# Altium PCB Gesturelink V1.PcbDoc (part 5 of 9)
Units mil, origin at the board's own origin, x right, y up, seen from the top; angles counter-clockwise.
Board outline 1574.8 x 1377.95 mil, 12 copper layers (SIG_1, GND_1, HI_SPEED_SIG_1, HI_SPEED_SIG_2, GND_2, PWR_1, PWR_2, GND_3, SIG_2, SIG_3, GND, SIG_4), stack 76.312 mil thick; 506 components, 440 nets, 2250 pads, 1330 vias.
Unrouted connection lines stored in the file: 20.
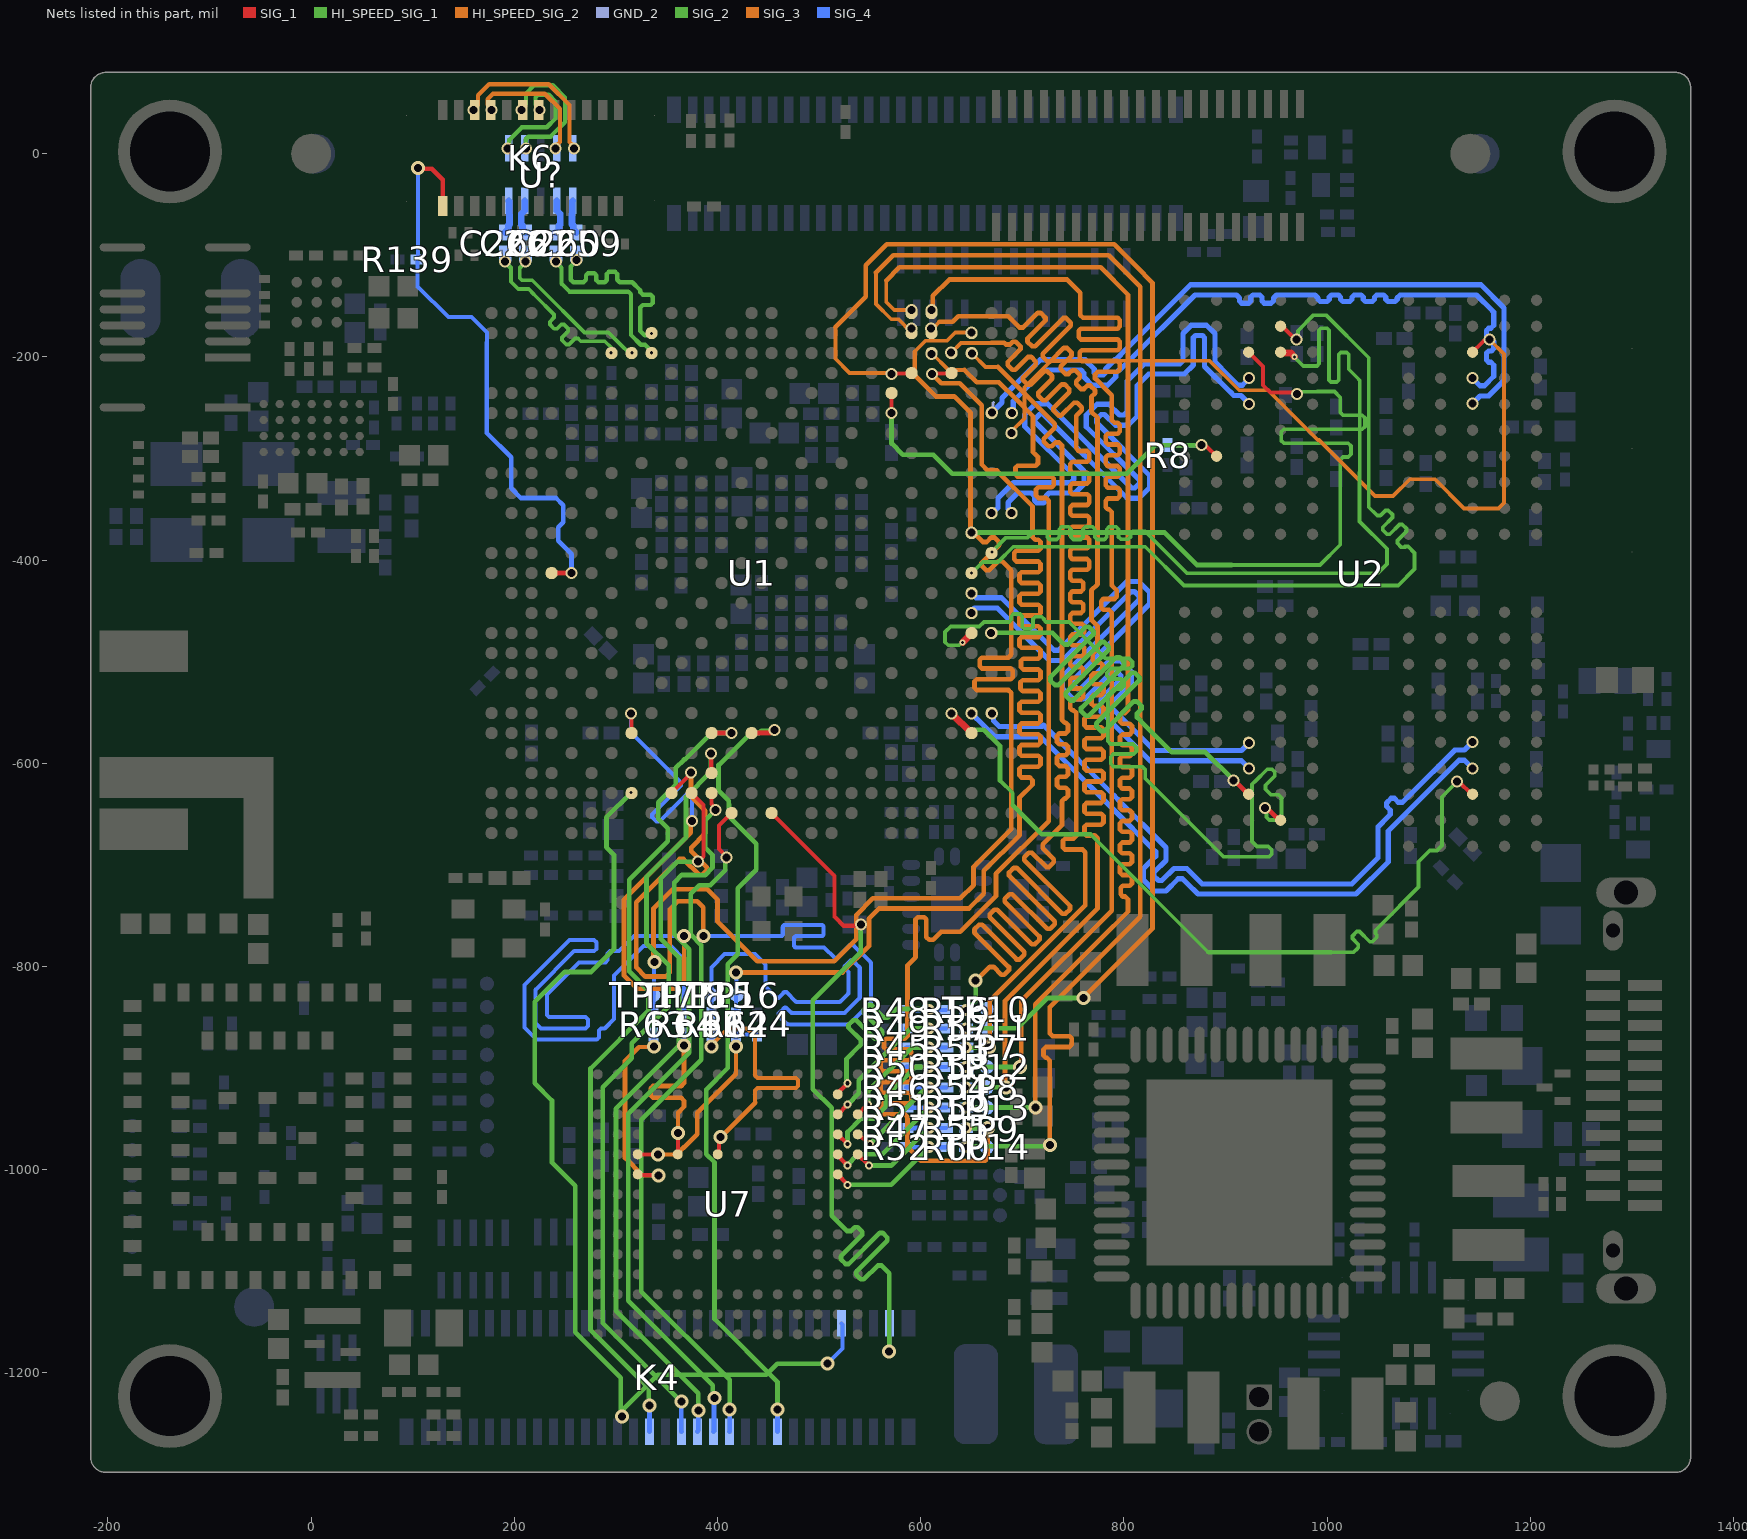
[diagram p15: the nets of this part, all layers, seen from the top]

## Nets (pads, with @x,y where several pads share a name; then routed paths per layer and width w, separated by ;. In a path a pad name is that pad's centre, name@x,y a point inside that pad or via, vN(x,y) a via of type N, cw(c..) or ccw(c..) an arc to the next point about the centre after c; other vN are vias at no path point) (continued)
DDR_DQ14_B: U1.N26 U2.Y9 | length 892.6
  SIG_1 w6.69: U2.Y9@955.37,-195.47 956.2,-196.3 964.31,-196.3 v4(968,-199.99)
  HI_SPEED_SIG_1 w3.71: v3(669.94,-392.02) 683.97,-377.99 705,-377.99 708.63,-374.36 711,-371.99 722.19,-371.99 724.53,-374.33 724.53,-377.42 726.88,-379.77 733.9,-379.77 736.24,-377.42 736.24,-369.67 738.58,-367.32 745.61,-367.32 747.95,-369.67 747.95,-377.42 750.29,-379.77 757.31,-379.77 759.65,-377.42 759.65,-369.67 762,-367.32 769.02,-367.32 771.36,-369.67 771.36,-377.42 773.7,-379.77 780.73,-379.77 783.07,-377.42 783.07,-369.67 785.41,-367.32 792.43,-367.32 794.78,-369.67 794.78,-377.29 797.12,-379.63 804.14,-379.63 806.48,-377.29 806.48,-374.33 808.82,-371.99 816.38,-371.99 821,-371.99 862,-412.99 ; v4(968,-199.99) 968,-200.49 974.94,-207.43 974.94,-207.78 975.29,-207.78 976.5,-208.99 ; 983,-208.99 988.05,-208.99 989.91,-208.99 992.08,-206.82 992.08,-198.99 992.08,-173.91 994.02,-171.97 999.85,-171.97 1001.79,-173.91 1001.79,-222.9 1003.73,-224.84 1009.55,-224.84 1011.49,-222.9 1011.49,-197.79 1013.44,-195.85 1019.26,-195.85 1021.2,-197.79 1021.2,-212.19 1026.72,-217.71 1029.63,-220.62 1032,-222.99 1032,-313.99 ; 1050,-412.99 1059,-403.99 1059,-388.99
  HI_SPEED_SIG_1 w3.75: 862,-412.99 1050,-412.99 ; 976.5,-208.99 983,-208.99 ; 1032,-313.99 1032,-361.99 1059,-388.99
  other v3: 968,-199.99
  other v4: 669.94,-392.02
DDR_DQ15_A: U1.U25 U2.B9 | length 889.4
  SIG_1 w4.58: v5(939,-643.99) 940.57,-643.99 U2.B9@952.69,-656.1
  SIG_1 w6.69: v4(641.29,-481.14) 650.01,-472.41 U1.U25@650.01,-471.89
  HI_SPEED_SIG_1 w3.71: v4(641.29,-481.14) 640.66,-481.14 637.81,-483.99 637.69,-483.99 627,-483.99 624,-480.99 624,-470.99 629.5,-465.49 657.63,-465.49 662.13,-460.99 676,-460.99 685.07,-460.99 686.93,-460.99 689.1,-458.82 689.1,-455.34 691.24,-453.2 697.67,-453.2 699.81,-455.34 699.81,-465.61 701.95,-467.75 708.37,-467.75 710.51,-465.61 710.51,-458.03 712.66,-455.89 719.08,-455.89 721.22,-458.03 721.22,-458.82 723.39,-460.99 746,-460.99 747.24,-462.23 782,-496.99 805,-496.99 808.37,-500.36 808.37,-504.2 805.66,-506.91 787.08,-506.91 783.03,-510.96 783.03,-513.71 786.31,-516.99 797.29,-516.99 800,-519.7 800,-523.99 797,-526.99 790,-526.99 784,-532.99 784,-578.28 786.71,-580.99 809,-580.99 812.46,-584.45 812.46,-588.28 809.74,-590.99 789.71,-590.99 787,-593.7 787,-600.5 790.1,-603.6 818.29,-603.6 821,-606.31 821,-614.99 898,-691.99 942.74,-691.99 945.46,-689.28 945.46,-685.45 941.98,-681.97 930.98,-681.97 926,-676.99 926,-620.7 928.71,-617.99 929,-617.99 941,-605.99 945.74,-605.99 948.46,-608.7 948.46,-612.54 939.26,-621.73 939.26,-625.56 944.7,-630.99 952,-630.99 955,-633.99 955,-653.28 952.29,-655.99 943.09,-655.99 940.37,-653.28 940.37,-645.37 v5(939,-643.99)
  other v3: 641.29,-481.14
DDR_DQ15_B: U1.P25 U2.AA9 | length 874.5
  SIG_1 w3.94: U2.AA9@954.26,-169.88 955.58,-169.88 v5@968.69,-182.99
  HI_SPEED_SIG_1 w3.71: v3(650,-412.99) 661,-401.99 676,-401.99 691,-386.99 821,-386.99 859,-424.99 1070,-424.99 1086,-408.99 1086,-392.99 1079.84,-386.83 1076.77,-386.83 1076.05,-387.54 1073.31,-387.54 1069.19,-383.43 1069.19,-380.68 1078.06,-371.8 1078.06,-369.06 1073.95,-364.94 1071.2,-364.94 1061.56,-374.58 1058.81,-374.58 1054.69,-370.47 1054.69,-367.72 1064.34,-358.08 1064.34,-355.33 1060.22,-351.21 1057.47,-351.21 1052.38,-356.3 1049.31,-356.3 1048,-354.99 1041,-347.99 1041,-200.99 999,-158.99 986.7,-158.99 971.38,-174.31 971.38,-181.62 v5(970.01,-182.99)
  other v4: 650,-412.99
DDR_DQM0_A: U1.AB25 U2.C3 | length 811.8
  SIG_1 w3.94: v9(1128,-617.99) 1129.36,-617.99 1141.88,-630.51 U2.C3@1143.24,-630.51
  SIG_1 w6.69: v1(630.13,-550.89) 630.35,-550.89 649.78,-570.31 U1.AB25@650.01,-570.31
  SIG_2 w3.75: v1(630.13,-550.89) 646.23,-566.99 ; 678,-616.99 690.5,-629.49 690.5,-641.49 ; 767,-669.99 883,-785.99 ; 1004,-785.99 1026,-785.99 1029.28,-782.71 1030.61,-781.38 1030.61,-778.28 1025,-772.67 1025,-769.91 1029.13,-765.78 1031.89,-765.78 1041.87,-775.76 1044.63,-775.76 1048.77,-771.62 1048.77,-768.87 1047.5,-767.6 1047.5,-764.49 1052,-759.99 1090,-721.99 1090,-696.99 1101,-685.99 1108,-685.99 1113,-680.99 1113,-632.99 v9(1128,-617.99)
  SIG_2 w4.67: 646.23,-566.99 662,-566.99 678,-582.99 678,-616.99 ; 690.5,-641.49 719,-669.99 767,-669.99 ; 883,-785.99 1004,-785.99
DDR_DQM0_B: U1.G27 U2.Y3 | length 796.4
  SIG_1 w3.94: U2.Y3@1143.24,-195.47 1154.02,-184.69 1158.52,-184.69 v10(1160.02,-183.18)
  HI_SPEED_SIG_2 w3.71: 736,-203.99 884.45,-203.99 913.45,-232.99 941.83,-232.99 990.83,-281.99 992,-281.99 1047.07,-337.06 1064.9,-337.06 1081.45,-320.51 1106.11,-320.51 1134.83,-349.23 1168.76,-349.23 1174,-343.99 1174,-197.16 v10(1160.02,-183.18)
  HI_SPEED_SIG_2 w3.75: v1@689,-273.7 702,-260.7 702,-229.99 728,-203.99 736,-203.99
  other v1: 689.38,-275.04
DDR_DQM1_A: U1.U26 U2.C10 | length 828.8
  SIG_1 w4.58: v9(908.01,-616.91) 908.59,-616.91 922.19,-630.51 U2.C10@922.76,-630.51
  SIG_2 w4.67: v19(669.23,-471.66) 729.67,-471.66 739.5,-481.49 741.15,-483.14 745.02,-483.14 762.46,-465.7 765.47,-465.7 770,-470.23 770,-473.25 727.66,-515.59 727.66,-518.6 732.19,-523.13 735.21,-523.13 777.54,-480.79 780.56,-480.79 785.09,-485.32 785.09,-488.34 742.75,-530.67 742.75,-533.69 747.28,-538.22 750.29,-538.22 792.63,-495.88 795.65,-495.88 800.18,-500.41 800.18,-503.42 757.84,-545.76 757.84,-548.78 762.36,-553.3 765.38,-553.3 807.72,-510.97 810.74,-510.97 815.26,-515.49 815.26,-518.51 772.93,-560.85 772.93,-563.87 777.45,-568.39 780.47,-568.39 809.7,-539.16 812.72,-539.16 817.25,-543.68 817.25,-546.7 812.91,-551.04 812.91,-554.9 820.52,-562.51 822.17,-564.16 847,-588.99 880.1,-588.99 v9(908.01,-616.91)
  other v1: 669.23,-471.66
  other v6: 669.23,-471.66
  other v11: 669.23,-471.66
DDR_DQM1_B: U1.M25 U2.Y10 | length 824
  SIG_1 w3.94: U1.M25@650.01,-373.72 U1.M25@650.01,-373.46 ; U2.Y10@922.76,-195.47 937,-209.71 937,-227.99 944.24,-235.24 969.23,-235.24 v9(970.4,-236.4)
  SIG_2 w3.71: 906,-404.99 993,-404.99 1013,-384.99 1013,-307.99 1013,-301.45 1015.74,-298.71 1020.71,-298.71 1023.45,-295.97 1023.45,-287.74 1020.71,-285 957.48,-285 954.74,-282.26 954.74,-274.04 957.48,-271.29 1034.5,-271.29 1037.24,-268.55 1037.24,-260.33 1034.5,-257.59 1015.74,-257.59 1013,-254.85 1013,-252.99 1013,-239.99 1007.26,-234.26 990.63,-234.26 990.41,-234.48 972.33,-234.48 v9(970.4,-236.4)
  SIG_2 w4.67: v6(650,-372.99) 840,-372.99 872,-404.99 906,-404.99
  other v9: 650,-372.99
  other v11: 650,-372.99
  other v19: 650,-372.99
DDR_RESET: R8.2 U1.E21 U2.T11 | length 431.1
  SIG_1 w3.94: v1(571.27,-255.35) U1.E21@571.27,-235.67 ; v1(876.11,-287.05) 877.62,-288.56 881.99,-288.56 U2.T11@891.27,-297.83
  SIG_2 w4.67: v1(571.27,-255.35) 571.27,-285.26 582.5,-296.49 612.5,-296.49 631,-314.99 803,-314.99 830.94,-287.05 v1(876.11,-287.05)
  SIG_4 w4: R8.2@843,-286.99 843.06,-287.05 v1(876.11,-287.05)
DISPLAY_RESET: K6.1 R139.1 U1.P4 | length 574.8
  SIG_1 w4.58: U1.P4@236.62,-412.83 236.68,-412.78 256.36,-412.78 v1(256.42,-412.72)
  SIG_1 w4.67: v2(105,-13.99) 105.89,-14.88 118.89,-14.88 129.51,-25.5 K6.1@129.51,-51.48
  SIG_4 w4: v2(105,-13.99) 105,-103.68 R139.1@104.68,-103.99 104.68,-130.68 135,-160.99 158,-160.99 173,-175.99 173,-185.99
  SIG_4 w4.58: 173,-185.99 173,-274.99 197,-298.99 197,-329.53 206.46,-338.99 241,-338.99 248.23,-346.22 248.23,-362.88 243.14,-367.97 243.14,-371.31 ; 243.11,-371.34 243.11,-380.98 256.31,-394.18 256.31,-412.6 v1(256.42,-412.72)
DSI_CK_C_N: C261.1 U?.9 | length 34.3
  SIG_4 w6.66: U?.9@210.25,-46.58 210.25,-55.91 206.83,-59.33 206.83,-69.65 208.03,-70.85 208.03,-74.79 C261.1@211,-77.76
DSI_CK_C_P: C262.1 U?.10 | length 33.2
  SIG_4 w6.66: C262.1@191,-77.76 193.97,-74.79 193.97,-70.85 195.17,-69.65 195.17,-59.88 194.91,-59.63 194.91,-46.99 U?.10@194.5,-46.58
DSI_CK_OUT_N: K6.12 U?.2 | length 143.3
  SIG_2 w4.3: v11(208.25,43.01) 208.25,45.04 211.47,48.26 211.47,59.22 219.44,67.19 237.82,67.19 249.82,55.19 249.82,30.83 235.7,16.71 213.61,16.71 211.09,14.19 211.09,5.31 v1(211.25,5.15)
  other v1: 207.25,43.01
  other v6: 208.25,43.01
  other v19: 208.25,43.01
DSI_CK_OUT_P: K6.14 U?.1 | length 117.1
  SIG_2 w4.3: v1(193.5,5.15) 194.94,6.59 194.94,13.47 207.48,26.01 231.85,26.01 240.52,34.68 240.52,51.34 233.96,57.89 223.3,57.89 220.78,55.37 220.78,48.26 224,45.04 v11(224,43.01)
  other v1: 225,43.01
  other v6: 224,43.01
  other v19: 224,43.01
DSI_CLK_N: C261.2 U1.C8 | length 171
  HI_SPEED_SIG_1 w3.68: v1(211,-105.99) 211,-106.55 205.34,-112.21 205.34,-122.53 207.49,-124.69 217.7,-124.69 225,-131.99 269,-175.99 292.68,-175.99 305.5,-188.81 312.23,-195.55 315.56,-195.55 v4(316,-195.99)
  HI_SPEED_SIG_1 w4.25: 205.62,-112.26 211,-106.89 v1(211,-105.99) ; v4@313.65,-195.66 315.66,-195.66 v4(316,-195.99)
  other v3: 316,-195.99
DSI_CLK_P: C262.2 U1.C7 | length 196.7
  HI_SPEED_SIG_1 w3.68: v1(191,-105.99) 191,-106.55 196.66,-112.21 196.66,-126.13 203.9,-133.37 214.1,-133.37 218.86,-138.13 220.57,-139.84 239.11,-158.37 239.11,-161.42 235.05,-165.48 235.05,-168.21 239.16,-172.32 241.9,-172.32 246.11,-168.11 248.84,-168.11 252.95,-172.22 252.95,-174.95 246.97,-180.94 246.97,-183.68 251.07,-187.78 253.81,-187.78 259.64,-181.95 262.69,-181.95 263.99,-183.25 265.41,-184.67 289.08,-184.67 295.36,-190.95 295.36,-195.63 v3(295,-195.99)
  HI_SPEED_SIG_1 w4.25: v1(191,-105.99) 191,-106.89 196.38,-112.26
  other v4: 295,-195.99
DSI_D0_C_N: C260.1 U?.7 | length 34.3
  SIG_4 w6.66: C260.1@241,-77.76 243.97,-74.79 243.97,-70.85 245.17,-69.65 245.17,-59.33 241.75,-55.91 U?.7@241.75,-46.58
DSI_D0_C_P: C259.1 U?.6 | length 33.2
  SIG_4 w6.66: U?.6@257.5,-46.58 257.09,-46.99 257.09,-59.63 256.83,-59.88 256.83,-69.65 258.03,-70.85 258.03,-74.79 C259.1@261,-77.76
DSI_D0_OUT_N: K6.6 U?.5 | length 163.2
  HI_SPEED_SIG_2 w4.3: v1@161.01,43.01 161.01,45.04 164.23,48.26 164.23,57.39 175.15,68.31 233.85,68.31 254.27,47.89 254.27,11.4 258.5,7.18 v1(258.5,5.15)
  other v1: 160.01,43.01
DSI_D0_OUT_P: K6.8 U?.4 | length 132.4
  HI_SPEED_SIG_2 w4.3: v1@176.76,43.01 176.76,45.04 173.53,48.26 173.53,53.54 179,59.01 230,59.01 244.97,44.04 244.97,11.4 240.75,7.18 v1(240.75,5.15)
  other v1: 177.76,43
DSI_DATA_D0_N: C260.2 U1.C9 | length 165.4
  HI_SPEED_SIG_1 w4.25: v1(241,-105.99) 241,-106.89 246.38,-112.26 246.38,-127.96 254.28,-135.86 271,-135.86 301.02,-135.86 312.26,-135.86 314.75,-138.35 314.75,-178.45 324.48,-188.18 328.7,-188.18 334.66,-194.15 334.66,-195.66 v3(335,-195.99)
  other v4: 335,-195.99
DSI_DATA_D0_P: C259.2 U1.B9 | length 194.9
  HI_SPEED_SIG_1 w4.25: v1(261,-104.85) 261,-105.74 255.62,-111.12 255.62,-124.13 258.11,-126.62 263.31,-126.62 268,-126.62 270.49,-124.13 270.49,-119.84 272.54,-117.79 278.69,-117.79 280.74,-119.84 280.74,-124.57 282.79,-126.62 288.93,-126.62 290.98,-124.57 290.98,-118.44 293.03,-116.39 299.18,-116.39 301.23,-118.44 301.23,-124.13 303.72,-126.62 316.09,-126.62 323.68,-134.2 324,-134.52 324,-136.33 326.49,-138.82 334.15,-138.82 336.2,-140.86 336.2,-147.01 334.15,-149.06 326.49,-149.06 324,-151.55 324,-166.29 324,-174.62 328.31,-178.93 332.59,-178.93 334.53,-176.99 v3(335,-176.99)
  other v4: 335,-176.99
DSQ0_A_N: U1.AA26 U2.E3 | length 681
  SIG_4 w5.12: v1(670,-550.99) 670,-552.8 671.68,-554.48 671.68,-558.28 677.29,-563.9 719.26,-563.9 720.74,-562.42 790.43,-632.1 794.33,-636.01 841.38,-683.06 841.38,-695.69 829.4,-707.67 829.4,-710.82 834.11,-715.54 837.26,-715.54 849.25,-703.55 861.88,-703.55 864.84,-706.52 868.75,-710.43 877.08,-718.76 1024.24,-718.76 1050,-692.99 1050,-662.63 1060.34,-652.29 1062.15,-650.48 1062.15,-646.23 1058.32,-642.4 1058.32,-639.25 1063.04,-634.53 1066.19,-634.53 1070.02,-638.36 1074.26,-638.36 1081.82,-630.81 1125.7,-586.93 1135.06,-586.93 v1(1143,-578.99)
  other v6: 669.69,-549.36
  other v11: 669.69,-549.36
  other v19: 669.69,-549.36
DSQ0_A_P: U1.AA25 U2.D3 | length 685.5
  SIG_4 w5.12: v1(650,-550.92) 661.56,-562.48 673.1,-574.02 718.03,-574.02 751,-606.99 783.27,-639.26 787.18,-643.17 831.26,-687.25 831.26,-691.49 819.27,-703.48 819.27,-715.01 829.92,-725.66 841.45,-725.66 853.44,-713.68 857.68,-713.68 861.59,-717.58 872.89,-728.88 1028.43,-728.88 1060.12,-697.19 1060.12,-666.82 1129.89,-597.05 1135.06,-597.05 v1(1143,-604.99)
  other v6: 650.01,-550.63
  other v11: 650.01,-550.63
  other v19: 650.01,-550.63
DSQ0_B_N: U1.F26 U2.V3 | length 708.6
  GND_2 w3.18: v1@669.69,-255.35 669.69,-254.02 671.05,-252.66 671.05,-245.53 671.59,-244.99
  SIG_4 w5.12: v11(669.76,-254.99) v1(670,-254.99) 680.01,-244.98 680.01,-240.55 711.64,-208.92 717.57,-202.99 730.87,-202.99 761.84,-202.99 770.77,-211.92 770.77,-215.7 772.99,-217.93 779.67,-217.93 781.89,-215.7 781.89,-211.92 790.82,-202.99 791.68,-202.99 802.68,-191.99 859.75,-134.92 865.68,-128.99 1151.19,-128.99 1174.12,-151.92 1174.12,-223.41 1158.98,-238.55 1150.44,-238.55 v1(1143,-245.99)
DSQ0_B_P: U1.F27 U2.W3 | length 711.8
  SIG_4 w5.12: v1(689.86,-255.13) 691.14,-253.85 691.14,-243.74 721.76,-213.12 730.87,-213.12 757.64,-213.12 760.64,-216.12 760.64,-219.9 768.8,-228.05 783.86,-228.05 792.01,-219.9 792.01,-216.12 795.02,-213.12 795.88,-213.12 802.68,-206.31 869.88,-139.12 897.03,-139.12 910.72,-139.12 913.72,-142.12 913.72,-145.01 915.94,-147.24 922.62,-147.24 924.84,-145.01 924.84,-141.34 927.07,-139.12 933.74,-139.12 935.97,-141.34 935.97,-145.01 938.19,-147.24 944.86,-147.24 947.09,-145.01 947.09,-142.12 950.09,-139.12 959,-139.12 974.36,-139.12 988.05,-139.12 991.05,-142.12 991.05,-143.4 993.27,-145.63 999.95,-145.63 1002.17,-143.4 1002.17,-141.34 1004.39,-139.12 1011.07,-139.12 1013.29,-141.34 1013.29,-143.4 1015.52,-145.63 1022.19,-145.63 1024.42,-143.4 1024.42,-141.34 1026.64,-139.12 1033.32,-139.12 1035.54,-141.34 1035.54,-143.4 1037.77,-145.63 1044.44,-145.63 1046.66,-143.4 1046.66,-141.34 1048.89,-139.12 1055.56,-139.12 1057.79,-141.34 1057.79,-143.4 1060.01,-145.63 1066.69,-145.63 1068.91,-143.4 1068.91,-142.12 1071.91,-139.12 1079.98,-139.12 1147,-139.12 1163.1,-155.21 1164,-156.12 1164,-168.9 1161,-171.9 1159.06,-171.9 1156.83,-174.12 1156.83,-180.8 1159.06,-183.02 1161.78,-183.02 1164,-185.25 1164,-191.92 1161.78,-194.15 1159.06,-194.15 1156.83,-196.37 1156.83,-203.05 1159.06,-205.27 1161,-205.27 1164,-208.27 1164,-219.21 1154.78,-228.43 1150.44,-228.43 v1(1143,-220.99)
  other v11: 689.45,-254.99
DSQ1_A_N: U1.R25 U2.E10 | length 627.4
  SIG_4 w5.12: v1@650.18,-432.69 654.59,-437.11 679.43,-437.11 688.66,-446.33 720.16,-477.83 727.16,-484.83 731.07,-488.74 735.31,-488.74 803.02,-421.03 814.55,-421.03 825.2,-431.68 825.2,-443.22 749.52,-518.9 749.52,-522.05 754.23,-526.77 757.38,-526.77 784.99,-499.16 796.53,-499.16 807.18,-509.81 807.18,-521.34 787.54,-540.97 787.54,-545.22 823.92,-581.6 827.83,-585.51 829.76,-587.43 915.56,-587.43 v1(923,-579.99)
  other v1: 650,-432.99
  other v6: 650.01,-432.52
  other v11: 650.01,-432.52
  other v19: 650.01,-432.52
DSQ1_A_P: U1.T25 U2.D10 | length 628.7
  SIG_4 w5.12: v19(649.42,-451.61) 649.58,-451.45 649.58,-450.5 652.86,-447.23 675.24,-447.23 720,-491.99 723.91,-495.9 726.87,-498.87 739.5,-498.87 807.21,-431.16 810.36,-431.16 815.08,-435.88 815.08,-439.02 739.39,-514.71 739.39,-526.24 750.04,-536.89 761.57,-536.89 789.19,-509.28 792.33,-509.28 797.05,-514 797.05,-517.15 777.42,-536.78 777.42,-549.41 816.77,-588.76 820.67,-592.67 825.56,-597.55 915.56,-597.55 v1(923,-604.99)
  other v1: 650,-451.99
  other v6: 649.42,-451.61
  other v11: 649.42,-451.61
DSQ1_B_N: U1.L27 U2.V10 | length 705.3
  SIG_4 w5.12: v11(690,-353.99) 690,-353.75 686.05,-349.8 686.05,-343.31 695.36,-333.99 709.05,-333.99 712.05,-336.99 712.05,-341.55 714.27,-343.77 720.95,-343.77 723.17,-341.55 723.17,-336.99 726.17,-333.99 728.84,-333.99 744,-333.99 751.82,-333.99 760.75,-325.06 760.75,-312.43 712.58,-264.26 712.58,-261.11 717.3,-256.39 720.45,-256.39 803.3,-339.25 814.83,-339.25 825.48,-328.6 825.48,-317.06 773.03,-264.62 773.03,-261.47 777.75,-256.75 780.9,-256.75 791.56,-267.42 804.19,-267.42 813.12,-258.48 813.12,-228.24 818.75,-222.62 824.37,-216.99 849.66,-216.99 859.38,-216.99 868.31,-208.06 868.31,-181.32 870.54,-179.1 877.21,-179.1 879.43,-181.32 879.43,-209.43 903,-232.99 904.8,-234.79 908.08,-238.07 915.16,-238.07 922.96,-245.87 v1(922.96,-246.46)
  other v1: 689.36,-353.8
  other v6: 690,-353.99
  other v19: 690,-353.99
DSQ1_B_P: U1.L26 U2.W10 | length 707.2
  SIG_4 w5.12: v6(671.33,-352.46) 671.57,-352.46 672.39,-351.63 672.92,-351.63 675.92,-348.63 675.92,-339.11 691.17,-323.87 733.88,-323.87 747.62,-323.87 750.63,-320.87 750.63,-316.62 702.46,-268.45 702.46,-256.92 713.11,-246.27 724.64,-246.27 807.49,-329.12 810.64,-329.12 815.36,-324.4 815.36,-321.26 762.91,-268.81 762.91,-257.28 773.56,-246.63 785.09,-246.63 795.76,-257.29 800,-257.29 803,-254.29 803,-224.05 811.59,-215.46 820.18,-206.87 849.66,-206.87 855.19,-206.87 858.19,-203.87 858.19,-177.13 866.34,-168.98 881.4,-168.98 889.56,-177.13 889.56,-205.23 903,-218.68 912.27,-227.95 916.52,-227.95 922.86,-221.6 v1(922.86,-220.97)
  other v1: 669.68,-353.8
  other v11: 671.33,-352.46
  other v19: 671.33,-352.46
eMMC_CLK: R63.2 U7.M6 | length 203.2
  SIG_1 w4: U7.M6@321.46,-1004.62 322.15,-1005.31 341.31,-1005.31 v2(342,-1005.99)
  SIG_3 w4: 322.52,-879.47 336.95,-879.47 v12(337.41,-879.01) ; 326.5,-1005.99 v2(342,-1005.99)
  SIG_3 w4.63: 322.52,-879.47 309,-892.99 309,-988.49 326.5,-1005.99
  SIG_4 w4: R63.2@337,-866.99 337.2,-867.2 337.2,-878.81 v12(337.41,-879.01)
eMMC_CLK_MPU: R63.1 TP17.12 U1.B25 | length 1344.8
  SIG_3 w3.7: 594,-194.99 604.72,-184.27 625.77,-184.27 634.05,-175.99 v22@649.65,-175.99
  SIG_3 w4.63: 371,-723.99 389.71,-723.99 400,-734.28 400,-755.99 439,-794.99 515,-794.99 536.5,-773.49 536.5,-749.49 553,-732.99 639,-732.99 652,-719.99 652,-701.99 689,-664.99 689,-533.01 689,-530.69 686.29,-527.98 655.04,-527.98 652.92,-525.86 652.92,-519.48 655.04,-517.35 688.51,-517.35 690.63,-515.23 690.63,-508.85 688.51,-506.72 660.24,-506.72 658.11,-504.6 658.11,-498.22 660.24,-496.1 686.29,-496.1 689,-493.39 689,-430.93 689,-409.99 680.14,-401.13 676.31,-401.13 667.34,-410.1 664.33,-410.1 659.82,-405.59 659.82,-402.59 677.06,-385.35 677.06,-382.34 672.55,-377.83 669.55,-377.83 665.11,-382.27 661.28,-382.27 659.64,-380.63 649,-369.99 649,-254.99 633,-238.99 ; 594,-194.99 594,-217.99 600.94,-224.94
  SIG_3 w4.67: v12(338,-795.79) 337,-794.79 337,-742.99 356,-723.99 371,-723.99 ; 600.94,-224.94 600.94,-225.05 614.89,-238.99 633,-238.99
  SIG_4 w4: R63.1@337,-847.31 TP17.12@337,-828.15 337.5,-827.65 337.5,-796.29 v12(338,-795.79)
  other v11: 649.67,-175.96
  other v22: 650,-175.99
eMMC_CMD: R44.1 R62.2 U7.M5 | length 205.6
  SIG_1 w4: U7.M5@321.49,-984.96 v2(341.64,-984.98)
  SIG_3 w4: v2@338,-984.99 359.77,-984.99 ; 418,-905.99 v12(418,-878.99)
  SIG_3 w4.63: 359.77,-984.99 366.57,-978.2 367.08,-978.2 380,-965.28 380,-943.99 418,-905.99
  SIG_4 w4: v12(418,-878.99) R62.2@418,-866.83 438.84,-866.83 R44.1@439,-866.99
eMMC_CMD_MPU: R62.1 TP16.12 U1.D24 | length 1345.6
  SIG_1 w4: v1(611.07,-216.92) 611.54,-216.45 629.85,-216.45 U1.D24@630.32,-215.98